# KiCad board panel.kicad_pcb (continued)
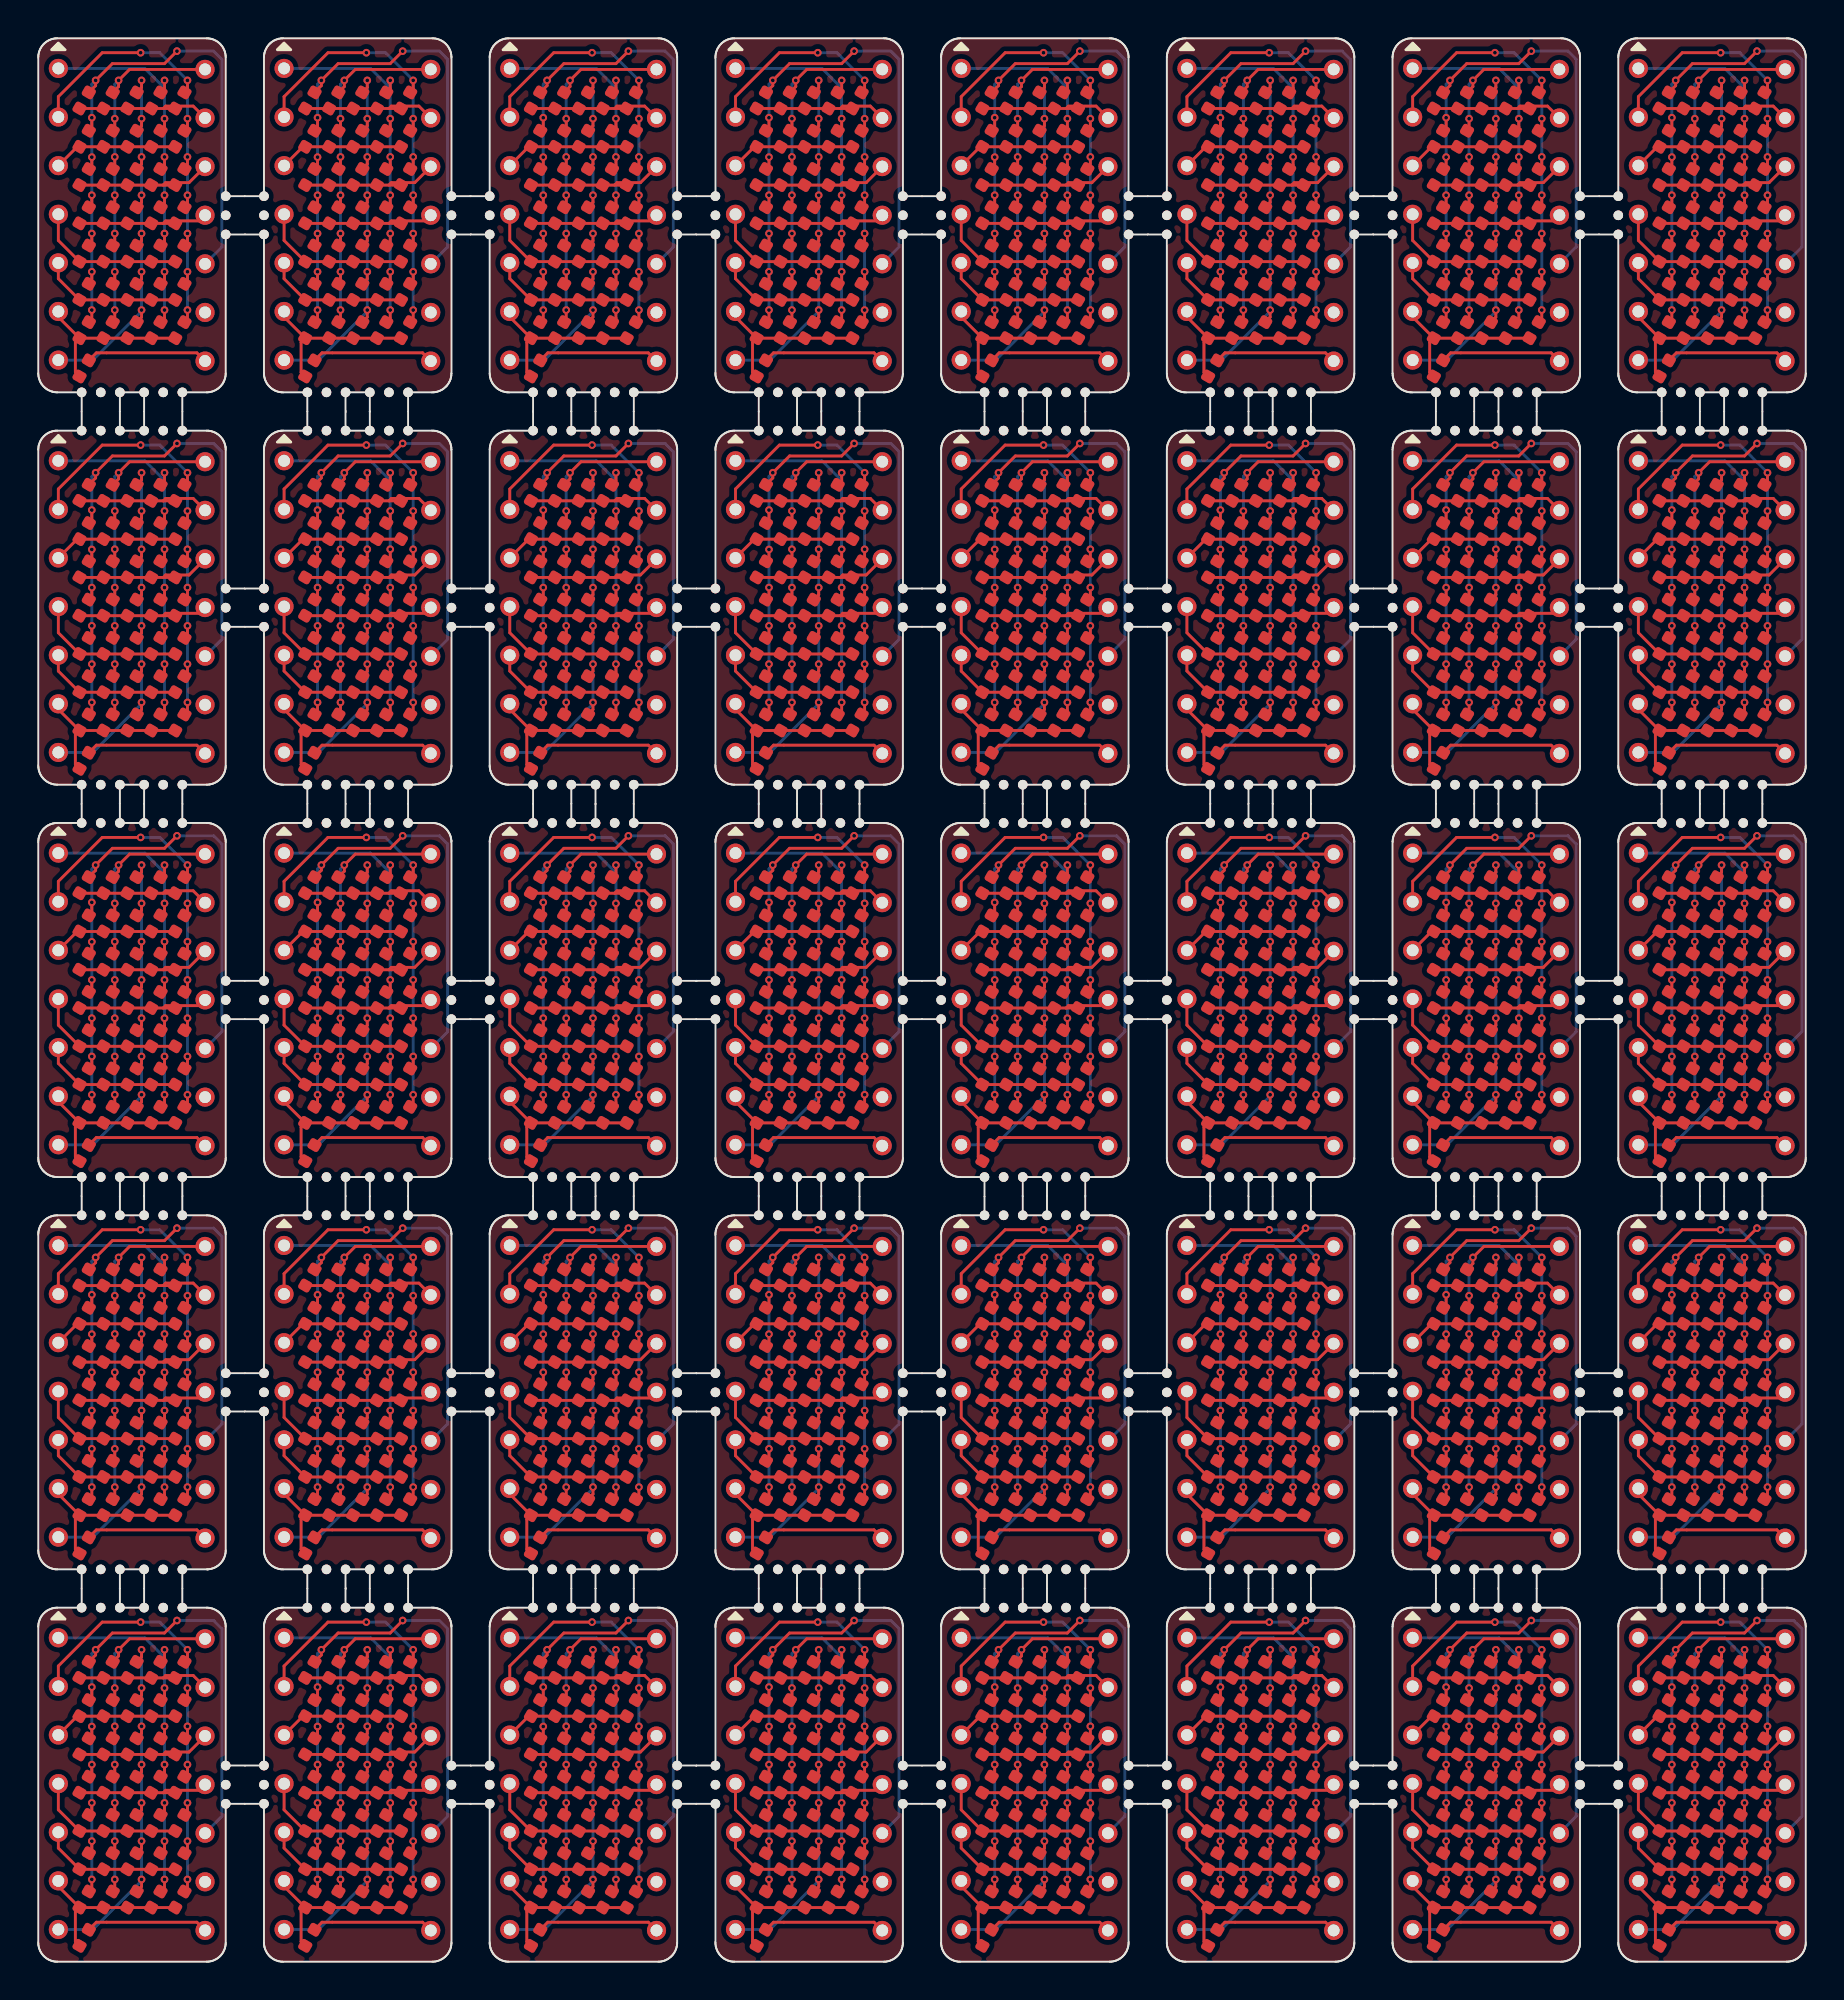
[diagram p0: board, top side]
## Nets (continued)
Board_16-unconnected-(J2-Pin_6-Pad6): J2.6
Board_17-C1: D1#16.2 D2#36.2 D3#31.2 D4#15.2 D5#40.2 D6#39.2 D7#2.2 J2#20.5
Board_17-C2: D9#26.2 D10#9.2 D11#38.2 D12#19.2 D13#32.2 D14#15.2 D15#8.2 J2#20.1
Board_17-C3: D16#19.2 D17#22.2 D18#31.2 D19#32.2 D20.2 D21#13.2 D22#14.2 J1#10.7
Board_17-C4: D23#26.2 D24#29.2 D25#25.2 D26#35.2 D27#13.2 D28#2.2 D29#10.2 J1#10.1
Board_17-C5: D30#28.2 D31#28.2 D32#28.2 D33#24.2 D34#22.2 D35#32.2 D36#2.2 J1#10.2
Board_17-DP: D8#4.2 J2#20.7
Board_17-R1: D1#16.1 D9#26.1 D16#19.1 D23#26.1 D30#28.1 J2#20.2
Board_17-R2: D2#36.1 D10#9.1 D17#22.1 D24#29.1 D31#28.1 J1#10.3
Board_17-R3: D3#31.1 D11#38.1 D18#31.1 D25#25.1 D32#28.1 J2#20.3
Board_17-R4: D4#15.1 D12#19.1 D19#32.1 D26#35.1 D33#24.1 J2#20.4
Board_17-R5: D5#40.1 D13#32.1 D20.1 D27#13.1 D34#22.1 J1#10.4
Board_17-R6: D6#39.1 D14#15.1 D21#13.1 D28#2.1 D35#32.1 J1#10.5
Board_17-R7: D7#2.1 D8#4.1 D15#8.1 D22#14.1 D29#10.1 D36#2.1 J1#10.6
Board_17-unconnected-(J2-Pin_6-Pad6): J2#20.6
Board_18-C1: D1#8.2 D2#9.2 D3#7.2 D4#12.2 D5#20.2 D6#16.2 D7#34.2 J2#8.5
Board_18-C2: D9#10.2 D10#6.2 D11#31.2 D12#39.2 D13#31.2 D14#23.2 D15#20.2 J2#8.1
Board_18-C3: D16#32.2 D17.2 D18#39.2 D19#12.2 D20#21.2 D21#37.2 D22#13.2 J1#15.7
Board_18-C4: D23#9.2 D24#18.2 D25#27.2 D26#6.2 D27#5.2 D28#15.2 D29.2 J1#15.1
Board_18-C5: D30#10.2 D31#22.2 D32#25.2 D33#32.2 D34#28.2 D35#34.2 D36#25.2 J1#15.2
Board_18-DP: D8#33.2 J2#8.7
Board_18-R1: D1#8.1 D9#10.1 D16#32.1 D23#9.1 D30#10.1 J2#8.2
Board_18-R2: D2#9.1 D10#6.1 D17.1 D24#18.1 D31#22.1 J1#15.3
Board_18-R3: D3#7.1 D11#31.1 D18#39.1 D25#27.1 D32#25.1 J2#8.3
Board_18-R4: D4#12.1 D12#39.1 D19#12.1 D26#6.1 D33#32.1 J2#8.4
Board_18-R5: D5#20.1 D13#31.1 D20#21.1 D27#5.1 D34#28.1 J1#15.4
Board_18-R6: D6#16.1 D14#23.1 D21#37.1 D28#15.1 D35#34.1 J1#15.5
Board_18-R7: D7#34.1 D8#33.1 D15#20.1 D22#13.1 D29.1 D36#25.1 J1#15.6
Board_18-unconnected-(J2-Pin_6-Pad6): J2#8.6
Board_19-C1: D1#27.2 D2#2.2 D3#6.2 D4#9.2 D5#8.2 D6#40.2 D7#24.2 J2#29.5
Board_19-C2: D9#11.2 D10#19.2 D11#10.2 D12#34.2 D13#15.2 D14.2 D15#7.2 J2#29.1
Board_19-C3: D16#37.2 D17#26.2 D18#3.2 D19#29.2 D20#7.2 D21#39.2 D22#22.2 J1#22.7
Board_19-C4: D23#31.2 D24#8.2 D25#40.2 D26#3.2 D27#6.2 D28#20.2 D29#3.2 J1#22.1
Board_19-C5: D30#15.2 D31#29.2 D32#39.2 D33#17.2 D34#24.2 D35#11.2 D36#32.2 J1#22.2
Board_19-DP: D8#23.2 J2#29.7
Board_19-R1: D1#27.1 D9#11.1 D16#37.1 D23#31.1 D30#15.1 J2#29.2
Board_19-R2: D2#2.1 D10#19.1 D17#26.1 D24#8.1 D31#29.1 J1#22.3
Board_19-R3: D3#6.1 D11#10.1 D18#3.1 D25#40.1 D32#39.1 J2#29.3
Board_19-R4: D4#9.1 D12#34.1 D19#29.1 D26#3.1 D33#17.1 J2#29.4
Board_19-R5: D5#8.1 D13#15.1 D20#7.1 D27#6.1 D34#24.1 J1#22.4
Board_19-R6: D6#40.1 D14.1 D21#39.1 D28#20.1 D35#11.1 J1#22.5
Board_19-R7: D7#24.1 D8#23.1 D15#7.1 D22#22.1 D29#3.1 D36#32.1 J1#22.6
Board_19-unconnected-(J2-Pin_6-Pad6): J2#29.6
Board_20-C1: D1#38.2 D2#25.2 D3#21.2 D4#35.2 D5#36.2 D6#33.2 D7#27.2 J2#35.5
Board_20-C2: D9#4.2 D10#30.2 D11#36.2 D12#40.2 D13#4.2 D14#8.2 D15#13.2 J2#35.1
Board_20-C3: D16#38.2 D17#33.2 D18#24.2 D19#6.2 D20#35.2 D21#3.2 D22#4.2 J1#29.7
Board_20-C4: D23#39.2 D24#22.2 D25#37.2 D26#11.2 D27#39.2 D28#4.2 D29#15.2 J1#29.1
Board_20-C5: D30#4.2 D31#32.2 D32#33.2 D33#5.2 D34#39.2 D35#19.2 D36#40.2 J1#29.2
Board_20-DP: D8#14.2 J2#35.7
Board_20-R1: D1#38.1 D9#4.1 D16#38.1 D23#39.1 D30#4.1 J2#35.2
Board_20-R2: D2#25.1 D10#30.1 D17#33.1 D24#22.1 D31#32.1 J1#29.3
Board_20-R3: D3#21.1 D11#36.1 D18#24.1 D25#37.1 D32#33.1 J2#35.3
Board_20-R4: D4#35.1 D12#40.1 D19#6.1 D26#11.1 D33#5.1 J2#35.4
Board_20-R5: D5#36.1 D13#4.1 D20#35.1 D27#39.1 D34#39.1 J1#29.4
Board_20-R6: D6#33.1 D14#8.1 D21#3.1 D28#4.1 D35#19.1 J1#29.5
Board_20-R7: D7#27.1 D8#14.1 D15#13.1 D22#4.1 D29#15.1 D36#40.1 J1#29.6
Board_20-unconnected-(J2-Pin_6-Pad6): J2#35.6
Board_21-C1: D1#7.2 D2#27.2 D3#23.2 D4#36.2 D5#28.2 D6#24.2 D7#40.2 J2#3.5
Board_21-C2: D9#24.2 D10#13.2 D11#40.2 D12#35.2 D13#26.2 D14#4.2 D15#4.2 J2#3.1
Board_21-C3: D16#9.2 D17#15.2 D18#12.2 D19#15.2 D20#12.2 D21#10.2 D22#26.2 J1#12.7
Board_21-C4: D23#2.2 D24#30.2 D25#9.2 D26#10.2 D27#12.2 D28#9.2 D29#32.2 J1#12.1
Board_21-C5: D30#30.2 D31#6.2 D32#32.2 D33#35.2 D34#2.2 D35#18.2 D36#6.2 J1#12.2
Board_21-DP: D8#9.2 J2#3.7
Board_21-R1: D1#7.1 D9#24.1 D16#9.1 D23#2.1 D30#30.1 J2#3.2
Board_21-R2: D2#27.1 D10#13.1 D17#15.1 D24#30.1 D31#6.1 J1#12.3
Board_21-R3: D3#23.1 D11#40.1 D18#12.1 D25#9.1 D32#32.1 J2#3.3
Board_21-R4: D4#36.1 D12#35.1 D19#15.1 D26#10.1 D33#35.1 J2#3.4
Board_21-R5: D5#28.1 D13#26.1 D20#12.1 D27#12.1 D34#2.1 J1#12.4
Board_21-R6: D6#24.1 D14#4.1 D21#10.1 D28#9.1 D35#18.1 J1#12.5
Board_21-R7: D7#40.1 D8#9.1 D15#4.1 D22#26.1 D29#32.1 D36#6.1 J1#12.6
Board_21-unconnected-(J2-Pin_6-Pad6): J2#3.6
Board_22-C1: D1#33.2 D2#5.2 D3#28.2 D4#30.2 D5#13.2 D6.2 D7#7.2 J2#38.5
Board_22-C2: D9#19.2 D10#5.2 D11.2 D12#12.2 D13#9.2 D14#27.2 D15#14.2 J2#38.1
Board_22-C3: D16#16.2 D17#9.2 D18#9.2 D19#34.2 D20#5.2 D21#27.2 D22#33.2 J1#4.7
Board_22-C4: D23#6.2 D24#40.2 D25#3.2 D26#14.2 D27#23.2 D28#36.2 D29#25.2 J1#4.1
Board_22-C5: D30#14.2 D31#10.2 D32#13.2 D33#38.2 D34#8.2 D35#24.2 D36#24.2 J1#4.2
Board_22-DP: D8#12.2 J2#38.7
Board_22-R1: D1#33.1 D9#19.1 D16#16.1 D23#6.1 D30#14.1 J2#38.2
Board_22-R2: D2#5.1 D10#5.1 D17#9.1 D24#40.1 D31#10.1 J1#4.3
Board_22-R3: D3#28.1 D11.1 D18#9.1 D25#3.1 D32#13.1 J2#38.3
Board_22-R4: D4#30.1 D12#12.1 D19#34.1 D26#14.1 D33#38.1 J2#38.4
Board_22-R5: D5#13.1 D13#9.1 D20#5.1 D27#23.1 D34#8.1 J1#4.4
Board_22-R6: D6.1 D14#27.1 D21#27.1 D28#36.1 D35#24.1 J1#4.5
Board_22-R7: D7#7.1 D8#12.1 D15#14.1 D22#33.1 D29#25.1 D36#24.1 J1#4.6
Board_22-unconnected-(J2-Pin_6-Pad6): J2#38.6
Board_23-C1: D1#39.2 D2#7.2 D3#37.2 D4#25.2 D5#24.2 D6#27.2 D7#35.2 J2#16.5
Board_23-C2: D9#5.2 D10#32.2 D11#4.2 D12#11.2 D13#3.2 D14#34.2 D15#31.2 J2#16.1
Board_23-C3: D16#27.2 D17#20.2 D18#40.2 D19#3.2 D20#24.2 D21#28.2 D22#8.2 J1#36.7
Board_23-C4: D23#11.2 D24#13.2 D25#14.2 D26#27.2 D27#26.2 D28#12.2 D29#9.2 J1#36.1
Board_23-C5: D30#27.2 D31#30.2 D32#4.2 D33#12.2 D34#25.2 D35#28.2 D36#31.2 J1#36.2
Board_23-DP: D8#24.2 J2#16.7
Board_23-R1: D1#39.1 D9#5.1 D16#27.1 D23#11.1 D30#27.1 J2#16.2
Board_23-R2: D2#7.1 D10#32.1 D17#20.1 D24#13.1 D31#30.1 J1#36.3
Board_23-R3: D3#37.1 D11#4.1 D18#40.1 D25#14.1 D32#4.1 J2#16.3
Board_23-R4: D4#25.1 D12#11.1 D19#3.1 D26#27.1 D33#12.1 J2#16.4
Board_23-R5: D5#24.1 D13#3.1 D20#24.1 D27#26.1 D34#25.1 J1#36.4
Board_23-R6: D6#27.1 D14#34.1 D21#28.1 D28#12.1 D35#28.1 J1#36.5
Board_23-R7: D7#35.1 D8#24.1 D15#31.1 D22#8.1 D29#9.1 D36#31.1 J1#36.6
Board_23-unconnected-(J2-Pin_6-Pad6): J2#16.6
Board_24-C1: D1#11.2 D2.2 D3#36.2 D4#20.2 D5#32.2 D6#10.2 D7#39.2 J2#37.5
Board_24-C2: D9#30.2 D10#16.2 D11#13.2 D12.2 D13#10.2 D14#6.2 D15#3.2 J2#37.1
Board_24-C3: D16#36.2 D17#30.2 D18#33.2 D19#40.2 D20#29.2 D21#34.2 D22.2 J1#34.7
Board_24-C4: D23#19.2 D24#25.2 D25#11.2 D26.2 D27#4.2 D28#39.2 D29#28.2 J1#34.1
Board_24-C5: D30#3.2 D31#24.2 D32#30.2 D33#10.2 D34#9.2 D35#39.2 D36#3.2 J1#34.2
Board_24-DP: D8#10.2 J2#37.7
Board_24-R1: D1#11.1 D9#30.1 D16#36.1 D23#19.1 D30#3.1 J2#37.2
Board_24-R2: D2.1 D10#16.1 D17#30.1 D24#25.1 D31#24.1 J1#34.3
Board_24-R3: D3#36.1 D11#13.1 D18#33.1 D25#11.1 D32#30.1 J2#37.3
Board_24-R4: D4#20.1 D12.1 D19#40.1 D26.1 D33#10.1 J2#37.4
Board_24-R5: D5#32.1 D13#10.1 D20#29.1 D27#4.1 D34#9.1 J1#34.4
Board_24-R6: D6#10.1 D14#6.1 D21#34.1 D28#39.1 D35#39.1 J1#34.5
Board_24-R7: D7#39.1 D8#10.1 D15#3.1 D22.1 D29#28.1 D36#3.1 J1#34.6
Board_24-unconnected-(J2-Pin_6-Pad6): J2#37.6
Board_25-C1: D1#13.2 D2#8.2 D3#20.2 D4#28.2 D5#29.2 D6#35.2 D7#33.2 J2#19.5
Board_25-C2: D9#27.2 D10#14.2 D11#11.2 D12#30.2 D13#6.2 D14#10.2 D15#30.2 J2#19.1
Board_25-C3: D16#25.2 D17#24.2 D18#20.2 D19#26.2 D20#23.2 D21#5.2 D22#23.2 J1.7
Board_25-C4: D23.2 D24#16.2 D25#34.2 D26#40.2 D27#33.2 D28#32.2 D29#26.2 J1.1
Board_25-C5: D30#11.2 D31#33.2 D32#21.2 D33#13.2 D34#14.2 D35#2.2 D36#26.2 J1.2
Board_25-DP: D8#26.2 J2#19.7
Board_25-R1: D1#13.1 D9#27.1 D16#25.1 D23.1 D30#11.1 J2#19.2
Board_25-R2: D2#8.1 D10#14.1 D17#24.1 D24#16.1 D31#33.1 J1.3
Board_25-R3: D3#20.1 D11#11.1 D18#20.1 D25#34.1 D32#21.1 J2#19.3
Board_25-R4: D4#28.1 D12#30.1 D19#26.1 D26#40.1 D33#13.1 J2#19.4
Board_25-R5: D5#29.1 D13#6.1 D20#23.1 D27#33.1 D34#14.1 J1.4
Board_25-R6: D6#35.1 D14#10.1 D21#5.1 D28#32.1 D35#2.1 J1.5
Board_25-R7: D7#33.1 D8#26.1 D15#30.1 D22#23.1 D29#26.1 D36#26.1 J1.6
Board_25-unconnected-(J2-Pin_6-Pad6): J2#19.6
Board_26-C1: D1#5.2 D2#33.2 D3#3.2 D4#37.2 D5#27.2 D6#23.2 D7#19.2 J2#30.5
Board_26-C2: D9#28.2 D10#4.2 D11#15.2 D12#14.2 D13#27.2 D14#20.2 D15#11.2 J2#30.1
Board_26-C3: D16.2 D17#38.2 D18#10.2 D19#24.2 D20#27.2 D21#18.2 D22#21.2 J1#16.7
Board_26-C4: D23#22.2 D24#21.2 D25#35.2 D26#33.2 D27#27.2 D28#3.2 D29#38.2 J1#16.1
Board_26-C5: D30#36.2 D31#12.2 D32#27.2 D33#6.2 D34#34.2 D35#16.2 D36#7.2 J1#16.2
Board_26-DP: D8#7.2 J2#30.7
Board_26-R1: D1#5.1 D9#28.1 D16.1 D23#22.1 D30#36.1 J2#30.2
Board_26-R2: D2#33.1 D10#4.1 D17#38.1 D24#21.1 D31#12.1 J1#16.3
Board_26-R3: D3#3.1 D11#15.1 D18#10.1 D25#35.1 D32#27.1 J2#30.3
Board_26-R4: D4#37.1 D12#14.1 D19#24.1 D26#33.1 D33#6.1 J2#30.4
Board_26-R5: D5#27.1 D13#27.1 D20#27.1 D27#27.1 D34#34.1 J1#16.4
Board_26-R6: D6#23.1 D14#20.1 D21#18.1 D28#3.1 D35#16.1 J1#16.5
Board_26-R7: D7#19.1 D8#7.1 D15#11.1 D22#21.1 D29#38.1 D36#7.1 J1#16.6
Board_26-unconnected-(J2-Pin_6-Pad6): J2#30.6
Board_27-C1: D1#21.2 D2#37.2 D3#14.2 D4#19.2 D5#31.2 D6#11.2 D7#26.2 J2#28.5
Board_27-C2: D9#15.2 D10#38.2 D11#33.2 D12#21.2 D13#34.2 D14#31.2 D15#15.2 J2#28.1
Board_27-C3: D16#10.2 D17#17.2 D18#26.2 D19#4.2 D20#33.2 D21#7.2 D22#3.2 J1#37.7
Board_27-C4: D23#37.2 D24#31.2 D25#19.2 D26#8.2 D27#22.2 D28#40.2 D29#14.2 J1#37.1
Board_27-C5: D30#21.2 D31#4.2 D32#5.2 D33#15.2 D34#26.2 D35#40.2 D36#4.2 J1#37.2
Board_27-DP: D8#35.2 J2#28.7
Board_27-R1: D1#21.1 D9#15.1 D16#10.1 D23#37.1 D30#21.1 J2#28.2
Board_27-R2: D2#37.1 D10#38.1 D17#17.1 D24#31.1 D31#4.1 J1#37.3
Board_27-R3: D3#14.1 D11#33.1 D18#26.1 D25#19.1 D32#5.1 J2#28.3
Board_27-R4: D4#19.1 D12#21.1 D19#4.1 D26#8.1 D33#15.1 J2#28.4
Board_27-R5: D5#31.1 D13#34.1 D20#33.1 D27#22.1 D34#26.1 J1#37.4
Board_27-R6: D6#11.1 D14#31.1 D21#7.1 D28#40.1 D35#40.1 J1#37.5
Board_27-R7: D7#26.1 D8#35.1 D15#15.1 D22#3.1 D29#14.1 D36#4.1 J1#37.6
Board_27-unconnected-(J2-Pin_6-Pad6): J2#28.6
Board_28-C1: D1#24.2 D2#4.2 D3#10.2 D4#4.2 D5#22.2 D6#8.2 D7#9.2 J2#21.5
Board_28-C2: D9#17.2 D10#12.2 D11#26.2 D12#5.2 D13#22.2 D14#29.2 D15#10.2 J2#21.1
Board_28-C3: D16#21.2 D17#35.2 D18#34.2 D19#39.2 D20#15.2 D21#29.2 D22#32.2 J1#17.7
Board_28-C4: D23#24.2 D24#9.2 D25#26.2 D26#38.2 D27#37.2 D28#19.2 D29#11.2 J1#17.1
Board_28-C5: D30#32.2 D31#20.2 D32#2.2 D33#37.2 D34#38.2 D35#7.2 D36#12.2 J1#17.2
Board_28-DP: D8#36.2 J2#21.7
Board_28-R1: D1#24.1 D9#17.1 D16#21.1 D23#24.1 D30#32.1 J2#21.2
Board_28-R2: D2#4.1 D10#12.1 D17#35.1 D24#9.1 D31#20.1 J1#17.3
Board_28-R3: D3#10.1 D11#26.1 D18#34.1 D25#26.1 D32#2.1 J2#21.3
Board_28-R4: D4#4.1 D12#5.1 D19#39.1 D26#38.1 D33#37.1 J2#21.4
Board_28-R5: D5#22.1 D13#22.1 D20#15.1 D27#37.1 D34#38.1 J1#17.4
Board_28-R6: D6#8.1 D14#29.1 D21#29.1 D28#19.1 D35#7.1 J1#17.5
Board_28-R7: D7#9.1 D8#36.1 D15#10.1 D22#32.1 D29#11.1 D36#12.1 J1#17.6
Board_28-unconnected-(J2-Pin_6-Pad6): J2#21.6
Board_29-C1: D1#26.2 D2#13.2 D3#5.2 D4#26.2 D5#14.2 D6#19.2 D7#8.2 J2#18.5
Board_29-C2: D9#37.2 D10#20.2 D11#29.2 D12#31.2 D13#29.2 D14#26.2 D15#18.2 J2#18.1
Board_29-C3: D16#2.2 D17#23.2 D18#18.2 D19#14.2 D20#17.2 D21#36.2 D22#9.2 J1#30.7
Board_29-C4: D23#36.2 D24#34.2 D25#7.2 D26#23.2 D27#31.2 D28#30.2 D29#33.2 J1#30.1
Board_29-C5: D30#38.2 D31#36.2 D32#10.2 D33#19.2 D34#32.2 D35#25.2 D36#16.2 J1#30.2
Board_29-DP: D8#38.2 J2#18.7
Board_29-R1: D1#26.1 D9#37.1 D16#2.1 D23#36.1 D30#38.1 J2#18.2
Board_29-R2: D2#13.1 D10#20.1 D17#23.1 D24#34.1 D31#36.1 J1#30.3
Board_29-R3: D3#5.1 D11#29.1 D18#18.1 D25#7.1 D32#10.1 J2#18.3
Board_29-R4: D4#26.1 D12#31.1 D19#14.1 D26#23.1 D33#19.1 J2#18.4
Board_29-R5: D5#14.1 D13#29.1 D20#17.1 D27#31.1 D34#32.1 J1#30.4
Board_29-R6: D6#19.1 D14#26.1 D21#36.1 D28#30.1 D35#25.1 J1#30.5
Board_29-R7: D7#8.1 D8#38.1 D15#18.1 D22#9.1 D29#33.1 D36#16.1 J1#30.6
Board_29-unconnected-(J2-Pin_6-Pad6): J2#18.6
Board_30-C1: D1#22.2 D2#14.2 D3#33.2 D4#16.2 D5#4.2 D6#37.2 D7#36.2 J2#14.5
Board_30-C2: D9#7.2 D10#31.2 D11#18.2 D12#25.2 D13#11.2 D14#5.2 D15#17.2 J2#14.1
Board_30-C3: D16#29.2 D17#5.2 D18#14.2 D19#9.2 D20#26.2 D21#12.2 D22#34.2 J1#13.7
Board_30-C4: D23#13.2 D24#35.2 D25#15.2 D26#7.2 D27#7.2 D28#31.2 D29#2.2 J1#13.1
Board_30-C5: D30#23.2 D31#7.2 D32#31.2 D33#20.2 D34#16.2 D35#14.2 D36#17.2 J1#13.2
Board_30-DP: D8#25.2 J2#14.7
Board_30-R1: D1#22.1 D9#7.1 D16#29.1 D23#13.1 D30#23.1 J2#14.2
Board_30-R2: D2#14.1 D10#31.1 D17#5.1 D24#35.1 D31#7.1 J1#13.3
Board_30-R3: D3#33.1 D11#18.1 D18#14.1 D25#15.1 D32#31.1 J2#14.3
Board_30-R4: D4#16.1 D12#25.1 D19#9.1 D26#7.1 D33#20.1 J2#14.4
Board_30-R5: D5#4.1 D13#11.1 D20#26.1 D27#7.1 D34#16.1 J1#13.4
Board_30-R6: D6#37.1 D14#5.1 D21#12.1 D28#31.1 D35#14.1 J1#13.5
Board_30-R7: D7#36.1 D8#25.1 D15#17.1 D22#34.1 D29#2.1 D36#17.1 J1#13.6
Board_30-unconnected-(J2-Pin_6-Pad6): J2#14.6
Board_31-C1: D1#18.2 D2#28.2 D3#11.2 D4#21.2 D5#38.2 D6#4.2 D7#16.2 J2#24.5
Board_31-C2: D9#20.2 D10#27.2 D11#35.2 D12#23.2 D13#5.2 D14#2.2 D15#37.2 J2#24.1
Board_31-C3: D16#17.2 D17#8.2 D18#13.2 D19#25.2 D20#28.2 D21#16.2 D22#19.2 J1#14.7
Board_31-C4: D23#8.2 D24#37.2 D25#17.2 D26#28.2 D27.2 D28#38.2 D29#5.2 J1#14.1
Board_31-C5: D30#25.2 D31#34.2 D32#12.2 D33#8.2 D34#4.2 D35#17.2 D36#29.2 J1#14.2
Board_31-DP: D8#16.2 J2#24.7
Board_31-R1: D1#18.1 D9#20.1 D16#17.1 D23#8.1 D30#25.1 J2#24.2
Board_31-R2: D2#28.1 D10#27.1 D17#8.1 D24#37.1 D31#34.1 J1#14.3
Board_31-R3: D3#11.1 D11#35.1 D18#13.1 D25#17.1 D32#12.1 J2#24.3
Board_31-R4: D4#21.1 D12#23.1 D19#25.1 D26#28.1 D33#8.1 J2#24.4
Board_31-R5: D5#38.1 D13#5.1 D20#28.1 D27.1 D34#4.1 J1#14.4
Board_31-R6: D6#4.1 D14#2.1 D21#16.1 D28#38.1 D35#17.1 J1#14.5
Board_31-R7: D7#16.1 D8#16.1 D15#37.1 D22#19.1 D29#5.1 D36#29.1 J1#14.6
Board_31-unconnected-(J2-Pin_6-Pad6): J2#24.6
Board_32-C1: D1#37.2 D2#12.2 D3#30.2 D4#8.2 D5#5.2 D6#2.2 D7#28.2 J2#17.5
Board_32-C2: D9#18.2 D10#2.2 D11#8.2 D12#38.2 D13#12.2 D14#17.2 D15#22.2 J2#17.1
Board_32-C3: D16#20.2 D17#37.2 D18#28.2 D19#19.2 D20#4.2 D21#11.2 D22#15.2 J1#25.7
Board_32-C4: D23#3.2 D24#26.2 D25#22.2 D26#30.2 D27#18.2 D28#28.2 D29#37.2 J1#25.1
Board_32-C5: D30#2.2 D31#19.2 D32#38.2 D33#2.2 D34#5.2 D35#37.2 D36#21.2 J1#25.2
Board_32-DP: D8#18.2 J2#17.7
Board_32-R1: D1#37.1 D9#18.1 D16#20.1 D23#3.1 D30#2.1 J2#17.2
Board_32-R2: D2#12.1 D10#2.1 D17#37.1 D24#26.1 D31#19.1 J1#25.3
Board_32-R3: D3#30.1 D11#8.1 D18#28.1 D25#22.1 D32#38.1 J2#17.3
Board_32-R4: D4#8.1 D12#38.1 D19#19.1 D26#30.1 D33#2.1 J2#17.4
Board_32-R5: D5#5.1 D13#12.1 D20#4.1 D27#18.1 D34#5.1 J1#25.4
Board_32-R6: D6#2.1 D14#17.1 D21#11.1 D28#28.1 D35#37.1 J1#25.5
Board_32-R7: D7#28.1 D8#18.1 D15#22.1 D22#15.1 D29#37.1 D36#21.1 J1#25.6
Board_32-unconnected-(J2-Pin_6-Pad6): J2#17.6
Board_33-C1: D1#3.2 D2#15.2 D3#34.2 D4.2 D5#39.2 D6#29.2 D7.2 J2#12.5
Board_33-C2: D9#25.2 D10#29.2 D11#21.2 D12#36.2 D13#35.2 D14#18.2 D15#25.2 J2#12.1
Board_33-C3: D16#30.2 D17#27.2 D18#19.2 D19#2.2 D20#18.2 D21#9.2 D22#17.2 J1#9.7
Board_33-C4: D23#5.2 D24#10.2 D25#38.2 D26#19.2 D27#15.2 D28#18.2 D29#8.2 J1#9.1
Board_33-C5: D30#6.2 D31#37.2 D32#23.2 D33#27.2 D34#11.2 D35#23.2 D36#14.2 J1#9.2
Board_33-DP: D8#27.2 J2#12.7
Board_33-R1: D1#3.1 D9#25.1 D16#30.1 D23#5.1 D30#6.1 J2#12.2
Board_33-R2: D2#15.1 D10#29.1 D17#27.1 D24#10.1 D31#37.1 J1#9.3
Board_33-R3: D3#34.1 D11#21.1 D18#19.1 D25#38.1 D32#23.1 J2#12.3
Board_33-R4: D4.1 D12#36.1 D19#2.1 D26#19.1 D33#27.1 J2#12.4
Board_33-R5: D5#39.1 D13#35.1 D20#18.1 D27#15.1 D34#11.1 J1#9.4
Board_33-R6: D6#29.1 D14#18.1 D21#9.1 D28#18.1 D35#23.1 J1#9.5
Board_33-R7: D7.1 D8#27.1 D15#25.1 D22#17.1 D29#8.1 D36#14.1 J1#9.6
Board_33-unconnected-(J2-Pin_6-Pad6): J2#12.6
Board_34-C1: D1#28.2 D2#31.2 D3#24.2 D4#33.2 D5#37.2 D6#20.2 D7#5.2 J2#31.5
Board_34-C2: D9#2.2 D10#11.2 D11#17.2 D12#8.2 D13#20.2 D14#7.2 D15#39.2 J2#31.1
Board_34-C3: D16#31.2 D17#40.2 D18#37.2 D19#36.2 D20#10.2 D21#31.2 D22#7.2 J1#6.7
Board_34-C4: D23#30.2 D24#28.2 D25#30.2 D26#29.2 D27#14.2 D28#14.2 D29#30.2 J1#6.1
Board_34-C5: D30#13.2 D31#40.2 D32#26.2 D33#14.2 D34#12.2 D35#15.2 D36#33.2 J1#6.2
Board_34-DP: D8#11.2 J2#31.7
Board_34-R1: D1#28.1 D9#2.1 D16#31.1 D23#30.1 D30#13.1 J2#31.2
Board_34-R2: D2#31.1 D10#11.1 D17#40.1 D24#28.1 D31#40.1 J1#6.3
Board_34-R3: D3#24.1 D11#17.1 D18#37.1 D25#30.1 D32#26.1 J2#31.3
Board_34-R4: D4#33.1 D12#8.1 D19#36.1 D26#29.1 D33#14.1 J2#31.4
Board_34-R5: D5#37.1 D13#20.1 D20#10.1 D27#14.1 D34#12.1 J1#6.4
Board_34-R6: D6#20.1 D14#7.1 D21#31.1 D28#14.1 D35#15.1 J1#6.5
Board_34-R7: D7#5.1 D8#11.1 D15#39.1 D22#7.1 D29#30.1 D36#33.1 J1#6.6
Board_34-unconnected-(J2-Pin_6-Pad6): J2#31.6
Board_35-C1: D1#20.2 D2#11.2 D3#35.2 D4#31.2 D5#9.2 D6#18.2 D7#4.2 J2#6.5
Board_35-C2: D9#9.2 D10#24.2 D11#19.2 D12#17.2 D13#16.2 D14#9.2 D15#28.2 J2#6.1
Board_35-C3: D16#23.2 D17#34.2 D18#30.2 D19#13.2 D20#19.2 D21#26.2 D22#30.2 J1#18.7
Board_35-C4: D23#4.2 D24#15.2 D25#10.2 D26#13.2 D27#28.2 D28#17.2 D29#20.2 J1#18.1
Board_35-C5: D30#26.2 D31#23.2 D32#9.2 D33.2 D34#23.2 D35#21.2 D36#19.2 J1#18.2
Board_35-DP: D8#32.2 J2#6.7
Board_35-R1: D1#20.1 D9#9.1 D16#23.1 D23#4.1 D30#26.1 J2#6.2
Board_35-R2: D2#11.1 D10#24.1 D17#34.1 D24#15.1 D31#23.1 J1#18.3
Board_35-R3: D3#35.1 D11#19.1 D18#30.1 D25#10.1 D32#9.1 J2#6.3
Board_35-R4: D4#31.1 D12#17.1 D19#13.1 D26#13.1 D33.1 J2#6.4
Board_35-R5: D5#9.1 D13#16.1 D20#19.1 D27#28.1 D34#23.1 J1#18.4
Board_35-R6: D6#18.1 D14#9.1 D21#26.1 D28#17.1 D35#21.1 J1#18.5
Board_35-R7: D7#4.1 D8#32.1 D15#28.1 D22#30.1 D29#20.1 D36#19.1 J1#18.6
Board_35-unconnected-(J2-Pin_6-Pad6): J2#6.6
Board_36-C1: D1#34.2 D2#16.2 D3#39.2 D4#2.2 D5#7.2 D6#7.2 D7#25.2 J2#11.5
Board_36-C2: D9#34.2 D10#25.2 D11#24.2 D12#16.2 D13#7.2 D14#12.2 D15#29.2 J2#11.1
Board_36-C3: D16#34.2 D17#7.2 D18#21.2 D19#10.2 D20#36.2 D21#25.2 D22#37.2 J1#35.7
Board_36-C4: D23#28.2 D24.2 D25#36.2 D26#9.2 D27#34.2 D28#7.2 D29#35.2 J1#35.1
Board_36-C5: D30#20.2 D31#27.2 D32#35.2 D33#16.2 D34#13.2 D35#12.2 D36#35.2 J1#35.2
Board_36-DP: D8#29.2 J2#11.7
Board_36-R1: D1#34.1 D9#34.1 D16#34.1 D23#28.1 D30#20.1 J2#11.2
Board_36-R2: D2#16.1 D10#25.1 D17#7.1 D24.1 D31#27.1 J1#35.3
Board_36-R3: D3#39.1 D11#24.1 D18#21.1 D25#36.1 D32#35.1 J2#11.3
Board_36-R4: D4#2.1 D12#16.1 D19#10.1 D26#9.1 D33#16.1 J2#11.4
Board_36-R5: D5#7.1 D13#7.1 D20#36.1 D27#34.1 D34#13.1 J1#35.4
Board_36-R6: D6#7.1 D14#12.1 D21#25.1 D28#7.1 D35#12.1 J1#35.5
Board_36-R7: D7#25.1 D8#29.1 D15#29.1 D22#37.1 D29#35.1 D36#35.1 J1#35.6
Board_36-unconnected-(J2-Pin_6-Pad6): J2#11.6
Board_37-C1: D1#2.2 D2#24.2 D3#32.2 D4#29.2 D5#35.2 D6#15.2 D7#37.2 J2#25.5
Board_37-C2: D9#16.2 D10#3.2 D11#5.2 D12#7.2 D13#28.2 D14#21.2 D15#24.2 J2#25.1
Board_37-C3: D16#13.2 D17#12.2 D18#27.2 D19#5.2 D20#31.2 D21#32.2 D22#35.2 J1#3.7
Board_37-C4: D23#38.2 D24#20.2 D25#28.2 D26#17.2 D27#24.2 D28#37.2 D29#6.2 J1#3.1
Board_37-C5: D30#35.2 D31#16.2 D32#18.2 D33#36.2 D34#10.2 D35#35.2 D36#13.2 J1#3.2
Board_37-DP: D8#40.2 J2#25.7
Board_37-R1: D1#2.1 D9#16.1 D16#13.1 D23#38.1 D30#35.1 J2#25.2
Board_37-R2: D2#24.1 D10#3.1 D17#12.1 D24#20.1 D31#16.1 J1#3.3
Board_37-R3: D3#32.1 D11#5.1 D18#27.1 D25#28.1 D32#18.1 J2#25.3
Board_37-R4: D4#29.1 D12#7.1 D19#5.1 D26#17.1 D33#36.1 J2#25.4
Board_37-R5: D5#35.1 D13#28.1 D20#31.1 D27#24.1 D34#10.1 J1#3.4
Board_37-R6: D6#15.1 D14#21.1 D21#32.1 D28#37.1 D35#35.1 J1#3.5
Board_37-R7: D7#37.1 D8#40.1 D15#24.1 D22#35.1 D29#6.1 D36#13.1 J1#3.6
Board_37-unconnected-(J2-Pin_6-Pad6): J2#25.6
Board_38-C1: D1#25.2 D2#23.2 D3#4.2 D4#7.2 D5#6.2 D6#3.2 D7#15.2 J2#33.5
Board_38-C2: D9#32.2 D10#26.2 D11#28.2 D12#13.2 D13.2 D14#35.2 D15#34.2 J2#33.1
Board_38-C3: D16#22.2 D17#3.2 D18#23.2 D19#18.2 D20#40.2 D21#24.2 D22#28.2 J1#33.7
Board_38-C4: D23#21.2 D24#5.2 D25#8.2 D26#31.2 D27#21.2 D28#33.2 D29#40.2 J1#33.1
Board_38-C5: D30#24.2 D31#38.2 D32#6.2 D33#40.2 D34#3.2 D35#22.2 D36#18.2 J1#33.2
Board_38-DP: D8.2 J2#33.7
Board_38-R1: D1#25.1 D9#32.1 D16#22.1 D23#21.1 D30#24.1 J2#33.2
Board_38-R2: D2#23.1 D10#26.1 D17#3.1 D24#5.1 D31#38.1 J1#33.3
Board_38-R3: D3#4.1 D11#28.1 D18#23.1 D25#8.1 D32#6.1 J2#33.3
Board_38-R4: D4#7.1 D12#13.1 D19#18.1 D26#31.1 D33#40.1 J2#33.4
Board_38-R5: D5#6.1 D13.1 D20#40.1 D27#21.1 D34#3.1 J1#33.4
Board_38-R6: D6#3.1 D14#35.1 D21#24.1 D28#33.1 D35#22.1 J1#33.5
Board_38-R7: D7#15.1 D8.1 D15#34.1 D22#28.1 D29#40.1 D36#18.1 J1#33.6
Board_38-unconnected-(J2-Pin_6-Pad6): J2#33.6
Board_39-C1: D1#19.2 D2#10.2 D3#13.2 D4#18.2 D5#30.2 D6#5.2 D7#12.2 J2#9.5
Board_39-C2: D9#35.2 D10#28.2 D11#20.2 D12#26.2 D13#38.2 D14#28.2 D15#6.2 J2#9.1
Board_39-C3: D16#5.2 D17#21.2 D18#32.2 D19#33.2 D20#25.2 D21#20.2 D22#16.2 J1#26.7
Board_39-C4: D23#29.2 D24#14.2 D25#24.2 D26#20.2 D27#36.2 D28#27.2 D29#4.2 J1#26.1
Board_39-C5: D30#12.2 D31#31.2 D32#24.2 D33#7.2 D34#29.2 D35.2 D36#22.2 J1#26.2
Board_39-DP: D8#28.2 J2#9.7
Board_39-R1: D1#19.1 D9#35.1 D16#5.1 D23#29.1 D30#12.1 J2#9.2
Board_39-R2: D2#10.1 D10#28.1 D17#21.1 D24#14.1 D31#31.1 J1#26.3
Board_39-R3: D3#13.1 D11#20.1 D18#32.1 D25#24.1 D32#24.1 J2#9.3
Board_39-R4: D4#18.1 D12#26.1 D19#33.1 D26#20.1 D33#7.1 J2#9.4
Board_39-R5: D5#30.1 D13#38.1 D20#25.1 D27#36.1 D34#29.1 J1#26.4
Board_39-R6: D6#5.1 D14#28.1 D21#20.1 D28#27.1 D35.1 J1#26.5
Board_39-R7: D7#12.1 D8#28.1 D15#6.1 D22#16.1 D29#4.1 D36#22.1 J1#26.6
Board_39-unconnected-(J2-Pin_6-Pad6): J2#9.6

## Via types
v1: diameter 0.4, hole 0.2, Top to Bottom, 1480 vias

## Routing (per net, layer and track width the routed paths; a pad name or vN(x,y) marks a point on that pad's centre or on a via; arc(x,y) is an arc through that point)
Board_0-C1: length 35.5
  Top w0.15: D7#14.2 2.8,85.83 v1(2.8,86.3) ; D3#26.2 2.8,93.83 v1(2.8,94.29) ; D5#17.2 2.8,89.83 v1(2.8,90.3) ; D6#30.2 2.8,87.83 v1(2.8,88.3) ; v1(2.8,96.35) 2.8,95.83 D2#26.2 ; v1(7.25,99.83) 6.6,99.18 3.88,99.18 v1(3,98.3) 3,98.03 D1#23.2 ; v1(2.8,92.3) 2.8,91.83 D4#6.2
  Bottom w0.15: v1(7.25,99.83) 9.17,99.83 9.6,99.4 9.6,89.59 J2#5.5 ; v1(3,98.3) 2.8,98.1 v1(2.8,96.35) v1(2.8,94.29) v1(2.8,92.3) v1(2.8,90.3) v1(2.8,88.3) v1(2.8,86.3)
Board_0-C2: length 21.6
  Top w0.15: v1(4,92.3) 4,91.78 D12#4.2 ; D9#12.2 4.2,97.98 v1(4.2,98.3) 4.77,98.87 8.72,98.87 J2#5.1 ; D13#13.2 4,89.78 v1(4,90.3) ; D14#19.2 4,87.78 v1(4,88.3) ; v1(4,96.3) 4,95.78 D10#34.2 ; v1(4,94.3) 4,93.78 D11#32.2 ; D15#9.2 4,85.78 v1(4,86.3)
  Bottom w0.15: v1(4,86.3) v1(4,88.3) v1(4,90.3) v1(4,92.3) v1(4,94.3) v1(4,96.3) 4,98.1 v1(4.2,98.3)
Board_0-C3: length 22.6
  Top w0.15: v1(5.4,90.3) 5.4,89.93 D20#14.2 ; v1(5.4,98.3) 5.4,97.93 D16#3.2 ; D22#31.2 5.4,85.93 v1(5.4,86.3) ; v1(5.4,88.3) 5.4,87.93 D21#8.2 ; v1(5.4,96.3) 5.4,95.93 D17#18.2 ; v1(5.4,94.3) 5.4,93.93 D18#11.2 ; v1(5.4,92.3) 5.4,91.93 D19#35.2
  Bottom w0.15: J1#19.7 2.85,83.69 5.4,86.23 v1(5.4,86.3) v1(5.4,88.3) v1(5.4,90.3) v1(5.4,92.3) v1(5.4,94.3) v1(5.4,96.3) v1(5.4,98.3)
Board_0-C4: length 23
  Top w0.15: D24#33.2 6.6,95.88 v1(6.6,96.3) ; D26#18.2 6.6,91.88 v1(6.6,92.3) ; v1(6.6,90.3) 6.6,89.88 D27#3.2 ; D23#40.2 6.6,97.88 v1(6.6,98.3) ; v1(6.6,86.3) 6.6,85.88 D29#18.2 ; v1(6.6,88.3) 6.6,87.88 D28#21.2 ; D25#33.2 6.6,93.88 v1(6.6,94.3)
  Bottom w0.15: v1(6.6,86.3) v1(6.6,88.3) v1(6.6,90.3) v1(6.6,92.3) v1(6.6,94.3) v1(6.6,96.3) 6.6,97.89 ; J1#19.1 5.57,98.92 6.6,97.89 ; 6.6,97.89 v1(6.6,98.3)
Board_0-C5: length 26.2
  Top w0.15: v1(5.35,99.75) 3.34,99.75 1.05,97.45 J1#19.2 ; v1(7.8,94.3) 7.8,93.83 D32#3.2 ; v1(7.8,86.3) 7.8,85.83 D36#15.2 ; D30#8.2 7.8,97.83 v1(7.8,98.3) ; v1(7.8,92.3) 7.8,91.83 D33#22.2 ; D31#9.2 7.8,95.83 v1(7.8,96.3) ; v1(7.8,88.3) 7.8,87.83 D35#13.2 ; v1(7.8,90.3) 7.8,89.83 D34#37.2
  Bottom w0.15: v1(7.8,86.3) v1(7.8,88.3) v1(7.8,90.3) v1(7.8,92.3) v1(7.8,94.3) v1(7.8,96.3) v1(7.8,98.3) 6.36,99.75 v1(5.35,99.75)
Board_0-DP: length 6.4
  Top w0.15: D8#5.2 3.04,84.06 8.29,84.06 J2#5.7
Board_0-R1: length 7.5
  Top w0.15: 6.53,96.83 D23#40.1 D16#3.1 D9#12.1 D1#23.1 ; 6.53,96.83 D30#8.1 ; 6.53,96.83 6.66,96.96 8.1,96.96 J2#5.2
Board_0-R2: length 6.5
  Top w0.15: D31#9.1 D24#33.1 D17#18.1 D10#34.1 D2#26.1 2.03,94.83 J1#19.3
Board_0-R3: length 7.6
  Top w0.15: D32#3.1 6.53,92.83 ; 6.53,92.83 6.66,92.96 7.88,92.96 J2#5.3 ; 6.53,92.83 D25#33.1 D18#11.1 D11#32.1 D3#26.1
Board_0-R4: length 7.4
  Top w0.15: D4#6.1 D12#4.1 D19#35.1 D26#18.1 6.53,90.83 ; 6.53,90.83 D33#22.1 ; 6.53,90.83 6.66,90.96 8.42,90.96 J2#5.4
Board_0-R5: length 7.9
  Top w0.15: J1#19.4 1.05,89.94 D5#17.1 D13#13.1 D20#14.1 D27#3.1 D34#37.1
Board_0-R6: length 7.4
  Top w0.15: D35#13.1 D28#21.1 D21#8.1 D14#19.1 D6#30.1 1.05,87.94 J1#19.5
Board_0-R7: length 9
  Top w0.15: D7#14.1 1.05,85.94 J1#19.6 ; D7#14.1 D15#9.1 D22#31.1 D29#18.1 D36#15.1 ; D7#14.1 1.94,84.61 1.94,83.05 D8#5.1
Board_1-C1: length 35.5
  Top w0.15: D2#20.2 14.6,95.83 v1(14.6,96.35) ; v1(19.05,99.83) 18.4,99.18 15.68,99.18 v1(14.8,98.3) 14.8,98.03 D1#35.2 ; v1(14.6,90.3) 14.6,89.83 D5#3.2 ; v1(14.6,94.29) 14.6,93.83 D3#29.2 ; D6#38.2 14.6,87.83 v1(14.6,88.3) ; D4#13.2 14.6,91.83 v1(14.6,92.3) ; v1(14.6,86.3) 14.6,85.83 D7#13.2
  Bottom w0.15: J2#40.5 21.4,89.59 21.4,99.4 20.97,99.83 v1(19.05,99.83) ; v1(14.6,86.3) v1(14.6,88.3) v1(14.6,90.3) v1(14.6,92.3) v1(14.6,94.29) v1(14.6,96.35) 14.6,98.1 v1(14.8,98.3)
